# KiCad board 8851_HW-U1-VCU118_REV2-0_071417.kicad_pcb (continued)
## Routing (per net, layer and track width the routed paths; a pad name or vN(x,y) marks a point on that pad's centre or on a via; arc(x,y) is an arc through that point) (continued)
QSFP2_TX4_N: length 100.5
  TOP w0.102: 48.69,54.14 47.78,54.14 arc(47.73,54.13) 47.69,54.1 47.48,53.9 arc(47.46,53.88) 47.42,53.87 47.26,53.87 arc(47.23,53.88) 47.2,53.9 46.84,54.25 arc(46.75,54.32) 46.63,54.34 45.98,54.34 arc(45.86,54.32) 45.77,54.26 v5(45.65,54.14)
  TOP w0.113: v2(100.63,47.09) 101.12,47.58
  03_SIG1 w0.107: v2(100.63,47.09) 100.63,47.37 arc(100.6,47.45) 100.52,47.48 100.41,47.48 arc(100.29,47.43) 100.23,47.3 100.23,42.03 arc(100.1,41.69) 99.76,41.55 99.55,41.55 arc(99.45,41.52) 99.42,41.43 arc(99.38,41.33) 99.29,41.3 99.12,41.3 arc(99.21,41.52) 98.99,41.43 arc(98.95,41.52) 98.86,41.55 98.69,41.55 arc(98.59,41.52) 98.56,41.43 arc(98.52,41.33) 98.43,41.3 98.26,41.3 arc(98.35,41.52) 98.13,41.43 arc(98.09,41.52) 98,41.55 97.83,41.55 arc(97.73,41.52) 97.7,41.43 arc(97.66,41.33) 97.57,41.3 97.4,41.3 arc(97.49,41.52) 97.27,41.43 arc(97.23,41.52) 97.14,41.55 96.97,41.55 arc(96.87,41.52) 96.84,41.43 arc(96.8,41.33) 96.71,41.3 96.54,41.3 arc(96.63,41.52) 96.41,41.43 arc(96.37,41.52) 96.28,41.55 95.37,41.55 arc(95.27,41.53) 95.19,41.48
  03_SIG1 w0.15: 95.19,41.48 84.06,41.48 arc(83.34,41.62) 82.73,42.03 81.52,43.24 arc(81.23,43.44) 80.89,43.51 79.64,43.51 arc(79.25,43.43) 78.91,43.2 arc(78.6,43) 78.23,42.92 67.48,42.92 arc(66.73,43.07) 66.08,43.5 61.52,48.06 arc(65.35,50.62) 60.83,49.72 60.83,55.71 arc(60.7,56.38) 60.32,56.96 58.61,58.67 arc(57.95,59.11) 57.18,59.26 48.33,59.26 arc(47.16,59.03) 46.17,58.37 43.68,55.88 arc(43.27,55.27) 43.12,54.54 arc(44.22,54.99) 43.77,53.9 44.04,53.9 arc(44.07,53.91) 44.1,53.93 44.23,54.06 arc(44.46,54.21) 44.73,54.27 45.35,54.27 arc(45.52,54.23) v5(45.65,54.14)
QSFP2_TX4_P: length 89
  TOP w0.102: v5(45.65,53.35) 45.73,53.27 arc(45.87,53.19) 46.02,53.15 46.65,53.15 arc(46.75,53.17) 46.84,53.23 47.2,53.59 arc(47.24,53.63) 47.3,53.64 arc(47.31,53.65) 47.33,53.65 47.36,53.65 arc(47.37,53.65) 47.38,53.65 arc(47.41,53.64) 47.44,53.62 47.44,53.62 arc(47.44,53.62) 47.44,53.62 arc(47.46,53.62) 47.47,53.61 47.67,53.4 arc(47.72,53.37) 47.78,53.35 48.69,53.35
  TOP w0.113: v2(100.63,48.07) 101.12,48.57
  03_SIG1 w0.107: v2(100.63,48.07) 100.63,47.79 arc(100.6,47.71) 100.52,47.68 100.41,47.68 arc(100.15,47.57) 100.03,47.3 100.03,42.03 arc(99.96,41.83) 99.76,41.75 95.43,41.75 arc(95.31,41.78) 95.2,41.85 95.19,41.86
  03_SIG1 w0.15: 95.19,41.86 84.06,41.86 arc(83.48,41.97) 83,42.3 81.79,43.51 arc(81.37,43.78) 80.89,43.88 79.64,43.88 arc(79.1,43.77) 78.65,43.47 arc(78.46,43.34) 78.23,43.3 67.48,43.3 arc(66.87,43.42) 66.35,43.77 61.79,48.33 arc(61.36,48.97) 61.21,49.72 61.21,55.71 arc(61.05,56.53) 60.58,57.22 58.87,58.93 arc(58.09,59.45) 57.18,59.64 48.32,59.64 arc(47.01,59.38) 45.9,58.63 43.41,56.15 arc(42.92,55.41) 42.75,54.54 arc(44.49,55.26) 43.77,53.52 44.05,53.52 arc(44.11,53.51) 44.17,53.47 arc(44.43,53.3) 44.73,53.24 45.38,53.24 arc(45.53,53.27) v5(45.65,53.35)
QSFP2_VCC1_FILT:
  vias: v3(43.65,57.92) v3(43.65,57.2) v3(65.7,56.42) v3(65.7,55.6)
QSFP2_VCCRX_FILT: length 2.6
  TOP w0.3: 48.69,50.2 v3(47.3,50.2)
  BOTTOM w0.375: v3(47.3,50.2) 47.65,50.2 48.23,49.63
  vias: v3(45.02,49.5) v3(45.02,48.15) v3(63.5,63.65) v3(64.62,63.62)
QSFP2_VCCTX_FILT: length 2.8
  TOP w0.3: 51.16,50.6 52.37,50.6 v3(52.57,50.4)
  BOTTOM w0.375: 51.25,50.34 52.52,50.34 v3(52.57,50.4)
  vias: v3(45,52.73) v3(62.88,54.46) v3(64.28,54.44)
QSFP_SI570_CLOCK_C_N: length 31.1
  TOP w0.102: v3(124.27,34.03) 124.5,33.8 124.5,32.26 124.03,31.79 ; v2(111.45,49.06) 111.95,49.55
  18_SIG6 w0.075: v2(111.45,49.06) 111.45,49.37 111.55,49.46 112.67,49.46 112.85,49.28 112.85,46.43 112.81,46.39 112.81,43.64 112.85,43.61 112.85,41.17 112.81,41.13 112.81,41.12
  18_SIG6 w0.087: v3(124.27,34.03) 124.52,34.28 124.52,34.3 123.9,34.92 123.9,35.55 123.77,35.68 123.57,35.68 123.44,35.55 123.44,35.33 123.3,35.2 123.05,35.2 122.91,35.35 122.91,35.55 122.77,35.68 122.51,35.68 122.38,35.55 122.38,35.39 122.24,35.26 121.98,35.26 121.85,35.39 121.85,35.55 121.71,35.68 121.45,35.68 121.32,35.55 121.32,35.39 121.18,35.26 120.92,35.26 120.79,35.39 120.79,35.55 120.65,35.68 118.95,35.68 117.06,37.58 114.95,37.58 112.81,39.71 112.81,41.12
QSFP_SI570_CLOCK_C_P: length 29.7
  TOP w0.102: 125.28,31.79 124.79,32.29 124.79,33.76 v3(125.05,34.03) ; v2(111.45,50.04) 111.95,50.53
  18_SIG6 w0.075: v2(111.45,50.04) 111.45,49.73 111.53,49.66 112.75,49.66 113.05,49.36 113.05,46.35 113.01,46.31 113.01,43.72 113.05,43.69 113.05,41.18 113.09,41.14 113.09,41.12
  18_SIG6 w0.087: v3(125.05,34.03) 124.8,34.28 124.8,34.41 124.17,35.03 124.17,35.66 123.89,35.95 119.07,35.95 117.17,37.85 115.07,37.85 113.09,39.83 113.09,41.12
QSFP_SI570_CLOCK_N: length 39.6
  TOP w0.102: 94.44,22.39 93.54,22.39 93.3,22.15 93.3,20.8 93.74,20.36 116.63,20.36 124.03,27.76 124.03,30.81
QSFP_SI570_CLOCK_P: length 41
  TOP w0.102: 125.28,30.81 124.74,30.26 124.38,30.26 124.26,30.14 124.26,27.67 116.73,20.13 93.65,20.13 93.07,20.71 93.07,22.23 92.91,22.39 91.94,22.39
QSPI0_CS_B: length 73.6
  TOP w0.15: 141.1,18.27 U133.7 144.57,18.27 145.07,18.77 146.1,18.77 v3(146.6,18.27) ; 121.79,52.5 v2(122.28,52.01)
  TOP w0.375: 141.1,19.26 v3(141.85,19.26)
  18_SIG6 w0.087: v2(122.28,52.01) 122.74,52.47 124.47,52.47 124.74,52.21 124.74,48.85 125.03,48.57 125.44,48.57 125.73,48.28 125.73,46.9 125.73,46.89 126.01,46.6 126.03,46.6 126.54,46.6 126.71,46.42 126.71,45.9 127,45.61 127.42,45.61 127.69,45.34 127.69,44.83 127.9,44.63 129.22,44.63 129.22,44.63 129.37,44.63 129.66,44.34 129.66,43.93 129.95,43.64 130.36,43.64 130.65,43.36 130.65,33.45 132.47,31.62 132.47,28.82 132.8,28.5 133.53,28.5 133.65,28.38 133.65,25.4 134.07,24.98 135.5,24.98 135.58,24.89 135.58,23.91 135.67,23.83 136.02,23.83 136.11,23.91 136.11,24.89 136.2,24.98 136.55,24.98 136.63,24.89 136.63,23.91 136.72,23.83 137.07,23.83 137.16,23.91 137.16,24.89 137.25,24.98 139.9,24.98 140.28,24.6 140.28,23.35 140.5,23.12 142.57,23.12 143.1,23.65 143.1,26.23 143.57,26.7 145.53,26.7 145.99,26.24 145.99,24.96 146.3,24.65 146.3,22.3 146.6,22 v3(146.6,18.27)
  BOTTOM w0.375: v3(141.85,19.26) 141.25,18.66 141.25,18.42
QSPI0_DQ0: length 64.1
  TOP w0.15: 126.71,52.5 v2(127.2,52.01) ; U133.15 v3(150.65,24.52)
  18_SIG6 w0.087: v3(150.65,24.52) 152.6,24.52 153.35,23.77 153.35,20.35 152.55,19.55 151.38,19.55 151.01,19.91 151.01,20.03 151.7,20.72 151.7,20.85 151.46,21.09 151.33,21.09 150.64,20.41 150.52,20.41 150.27,20.65 150.27,20.78 150.96,21.47 150.96,21.59 150.71,21.84 150.59,21.84 149.9,21.15 149.78,21.15 149.41,21.51 149.41,27.14 142.96,33.59 142.96,36.04 141.78,37.23 135,37.23 134.58,37.64 134.58,42.37 134.3,42.66 134.2,42.66 133.89,42.66 133.6,42.95 133.6,43.39 133.34,43.64 132.9,43.64 132.62,43.93 132.62,44.37 132.36,44.63 131.92,44.63 131.63,44.92 131.63,46.32 131.35,46.6 130.93,46.6 130.65,46.88 130.65,47.3 130.36,47.58 129.93,47.58 129.66,47.85 129.66,48.27 129.37,48.57 127.98,48.57 127.69,48.85 127.69,51.52 v2(127.2,52.01)
QSPI0_DQ1: length 64.9
  TOP w0.15: 125.73,52.5 v2(126.22,52.01) ; U133.8 v3(145.35,17.02)
  18_SIG6 w0.087: v3(145.35,17.02) 146.05,16.33 150.95,16.33 151.25,16.62 151.25,18.55 148.6,21.2 148.6,26.1 143.47,31.23 138.68,31.23 138.59,31.31 138.59,32.24 138.5,32.33 138.15,32.33 138.07,32.24 138.07,31.31 137.98,31.23 137.63,31.23 137.54,31.31 137.54,32.24 137.45,32.33 137.1,32.33 137.02,32.24 137.02,31.31 136.93,31.23 136.07,31.23 132.62,34.68 132.62,43.36 132.33,43.64 131.91,43.64 131.63,43.93 131.63,44.34 131.34,44.63 130.94,44.63 130.65,44.92 130.65,46.36 130.41,46.6 129.14,46.6 128.97,46.6 128.68,46.89 128.68,47.29 128.39,47.58 128.22,47.58 127.98,47.58 127.69,47.87 127.69,47.97 127.69,47.97 127.69,48.28 127.41,48.57 127.31,48.57 127,48.57 126.71,48.85 126.71,51.52 v2(126.22,52.01)
QSPI0_DQ2: length 67.6
  TOP w0.15: v2(125.23,52.01) 124.74,52.5 ; v3(150.65,17.02) U133.9 154.87,17.02
  18_SIG6 w0.087: v2(125.23,52.01) 125.73,51.52 125.73,48.85 126.01,48.57 126.42,48.57 126.71,48.28 126.71,48.2 126.71,46.86 126.97,46.6 128.39,46.6 128.68,46.31 128.68,46.09 128.68,45.9 128.97,45.61 129.16,45.61 129.37,45.61 129.66,45.32 129.66,45.02 129.66,45.02 129.66,44.92 129.95,44.63 130.05,44.63 130.36,44.63 130.65,44.34 130.65,44.03 130.65,43.93 130.93,43.64 131.03,43.64 131.03,43.64 131.35,43.64 131.63,43.36 131.63,33.34 134.35,30.62 134.35,29.19 134.44,29.1 134.86,29.1 134.95,29.01 134.95,28.66 134.86,28.57 134.44,28.57 134.35,28.49 134.35,28.14 134.44,28.05 134.86,28.05 134.95,27.96 134.95,27.61 134.86,27.52 134.44,27.52 134.35,27.44 134.35,26.12 134.9,25.57 138.67,25.57 138.75,25.66 138.75,27.54 138.84,27.62 139.19,27.62 139.28,27.54 139.28,25.66 139.37,25.57 141.57,25.57 143.3,27.3 146.03,27.3 147.3,26.03 147.3,19.45 149.15,17.6 150.07,17.6 v3(150.65,17.02)
QSPI0_DQ3: length 68.9
  TOP w0.15: v3(145.35,25.77) U133.1 143.36,25.8 R1016.2 ; v2(124.25,52.01) 123.76,52.5
  18_SIG6 w0.087: v2(124.25,52.01) 123.76,51.52 123.76,48.79 123.98,48.57 124.5,48.57 124.74,48.32 124.74,46.85 124.99,46.6 125.45,46.6 125.73,46.32 125.73,44.84 125.94,44.63 127.42,44.63 127.69,44.35 127.69,43.9 127.95,43.64 129.37,43.64 129.66,43.36 129.66,33.09 131.9,30.85 131.9,27.79 131.99,27.7 132.91,27.7 133,27.61 133,27.26 132.91,27.17 131.99,27.17 131.9,27.09 131.9,26.74 131.99,26.65 132.91,26.65 133,26.56 133,26.21 132.91,26.12 131.99,26.12 131.9,26.04 131.9,25.69 131.99,25.6 132.91,25.6 133,25.51 133,25.16 132.91,25.07 131.99,25.07 131.9,24.99 131.9,24.64 131.99,24.55 132.91,24.55 133,24.46 133,24.11 132.91,24.02 131.99,24.02 131.9,23.94 131.9,23.23 133.88,21.25 135.58,21.25 135.67,21.34 135.67,22.29 135.75,22.38 136.1,22.38 136.19,22.29 136.19,21.34 136.28,21.25 136.63,21.25 136.72,21.34 136.72,22.29 136.8,22.38 137.15,22.38 137.24,22.29 137.24,21.34 137.33,21.25 140.2,21.25 141.47,22.52 144.03,22.52 145.35,23.85 v3(145.35,25.77)
QSPI1_CS_B: length 50.6
  TOP w0.15: 138.52,57.42 v2(139.01,56.93)
  20_SIG7 w0.087: v3(149.4,18.27) 149.4,27.55 139.95,37 139.95,56.42 139.44,56.93 v2(139.01,56.93)
  BOTTOM w0.15: 155.5,17.81 154.75,17.81 154.28,18.27 152.61,18.27 151.45,18.27 151,18.73 149.85,18.73 v3(149.4,18.27)
QSPI1_DQ0: length 64.8
  TOP w0.15: v2(125.23,59.88) 124.74,60.38
  16_SIG5 w0.087: v3(146.75,23.27) 146.75,22.25 146.28,21.77 143.3,21.77 142.62,22.45 141.55,22.45 140.47,21.38 137.8,21.38 134.53,24.65 134.53,27.65 131.19,30.98 131.19,31.11 131.54,31.46 131.54,31.58 131.29,31.83 131.17,31.83 130.82,31.48 130.7,31.48 130.45,31.73 130.45,31.85 130.8,32.2 130.8,32.33 130.55,32.57 130.43,32.57 130.08,32.22 129.95,32.22 129.71,32.47 129.71,32.59 130.06,32.94 130.06,33.07 129.81,33.32 129.69,33.32 129.33,32.96 129.21,32.96 128.96,33.21 128.96,33.34 129.31,33.69 129.31,33.81 129.07,34.06 128.94,34.06 128.59,33.71 128.47,33.71 127.8,34.38 127.8,37.38 124.75,40.42 124.75,57.2 124.97,57.42 125.42,57.42 125.67,57.67 125.67,59.44 v2(125.23,59.88)
  BOTTOM w0.15: 143.39,24.52 145.5,24.52 v3(146.75,23.27)
QSPI1_DQ1: length 64.9
  TOP w0.15: 124.74,59.39 v2(125.23,58.9)
  16_SIG5 w0.087: v3(145.53,19.43) 144.82,20.12 138.3,20.12 138.21,20.21 138.21,20.49 138.12,20.58 137.77,20.58 137.69,20.49 137.69,20.21 137.6,20.12 137.22,20.12 136.05,21.3 134.35,21.3 133.95,21.7 133.95,27.28 125.8,35.42 125.8,38.45 123.78,40.48 123.78,58.25 123.95,58.42 124.76,58.42 v2(125.23,58.9)
  BOTTOM w0.15: v3(145.53,19.43) 146.7,19.43 149.62,16.5 150.88,16.5 151.4,17.02 152.61,17.02
QSPI1_DQ2: length 66.9
  TOP w0.15: v2(126.22,60.87) 125.73,61.36
  16_SIG5 w0.087: v3(146.6,17.02) 147.78,18.2 147.78,24.9 147.28,25.4 147.28,25.85 146.86,26.26 144.26,26.26 143.47,25.48 138.6,25.48 134.11,29.96 134.11,30.44 129.14,35.41 129.14,37.26 125.72,40.68 125.72,57.25 125.9,57.42 126.38,57.42 126.72,57.78 126.72,60.36 v2(126.22,60.87)
  BOTTOM w0.15: 141.25,17.43 141.66,17.02 143.39,17.02 144.53,17.02 144.95,16.6 146.18,16.6 v3(146.6,17.02)
QSPI1_DQ3: length 66.4
  TOP w0.15: v2(127.2,60.87) 126.71,61.36
  16_SIG5 w0.087: v3(147.82,25.65) 147.82,26.45 147.3,26.98 141.65,26.98 139.18,29.45 135.35,29.45 134.72,30.07 134.72,32.85 133.31,34.27 133.18,34.27 132.51,33.59 132.38,33.59 132.14,33.84 132.14,33.96 132.81,34.64 132.81,34.76 132.57,35.01 132.44,35.01 131.77,34.33 131.64,34.33 131.39,34.58 131.39,34.7 132.07,35.38 132.07,35.5 131.82,35.75 131.7,35.75 131.02,35.08 130.9,35.08 130.65,35.32 130.65,35.45 131.33,36.12 131.33,36.25 131.08,36.49 130.96,36.49 130.28,35.82 130.16,35.82 129.91,36.07 129.91,36.19 130.59,36.87 130.59,36.99 126.71,40.87 126.71,57.17 126.93,57.4 127.38,57.4 127.7,57.72 127.7,60.37 v2(127.2,60.87)
  BOTTOM w0.15: v3(147.82,25.65) 149.35,25.65 149.47,25.77 152.61,25.77 154.87,25.77
QSPI_CLK: length 81.2
  TOP w0.15: v2(119.33,53.98) 118.84,54.47 ; U133.16 149.3,25.77 148.53,25 147.28,25 v3(146.72,25.55)
  16_SIG5 w0.087: v3(146.72,25.55) 146.72,24.73 147.35,24.1 147.35,20.3 145.97,18.93 145.97,17.85 145.65,17.52 141.95,17.52 140.43,19.05 136.01,19.05 135.92,19.14 135.92,20.71 135.83,20.8 135.48,20.8 135.39,20.71 135.39,19.14 135.31,19.05 134.96,19.05 134.87,19.14 134.87,20.71 134.78,20.8 134.43,20.8 134.34,20.71 134.34,19.14 134.26,19.05 133.65,19.05 133.22,19.48 133.22,25.32 126.1,32.45 124.67,32.45 122.47,34.65 122.47,39.18 120.8,40.85 120.8,53.25 120.58,53.47 119.83,53.47 v2(119.33,53.98)
  BOTTOM w0.15: v3(146.72,25.55) 146.43,25.25 144.97,25.25 144.45,25.77 143.39,25.77
QSPI_RESET_B: length 11.9
  TOP w0.15: v3(145.8,23.27) U133.3 R1328.2
  BOTTOM w0.15: 152.61,23.27 149.47,23.27 148.93,22.73 146.35,22.73 v3(145.8,23.27)
REG_EN: length 432.9
  TOP w0.15: 217.26,149.41 217.26,149.97 217.07,150.16 v3(215.23,150.16) 215.09,150.16 214.62,150.63 214.62,151.8 214.21,152.2 207.25,152.2 207.03,151.98 199.8,151.98 199.05,152.72 196.7,152.72 196.18,153.25 178.87,153.25 171.68,146.07 133.79,146.07 133.22,145.5 133.22,142.75 132.57,142.1 127.31,142.1 v3(125.92,140.71) 125.55,140.71 125.31,140.48 125.31,139.52 ; 165.93,136.99 166.46,136.99 167.06,137.59 v3(167.31,137.59) ; v3(177.76,41.5) 177.76,41.94 177.21,42.49 177.21,43.08
  TOP w0.3: v3(160.12,132.53) 160.22,132.62 U166.9 ; v3(218.58,148.58) 218.24,148.92 R499.2
  03_SIG1 w0.17: v3(211.62,59.68) 211.84,59.9 211.84,61.29 211.43,61.7 210.45,61.7 210.16,61.41 209.33,61.41 208.19,60.27 208.19,59.82 208.19,58.06 209.54,56.71 209.54,52.42 210.25,51.71 210.25,51.32 209.99,51.05 209.89,51.05 v3(209.88,51.05) 207.81,48.97 204.59,48.97 203.43,50.12 198.07,50.12 196.82,48.88 190.47,48.88 187.8,51.55 187.8,52.62 186.05,54.38 184.35,54.38 183.1,53.12 183.1,52.11 180.25,49.26 180.25,47.43 179.51,46.68 178.9,46.68 177.76,45.54 v3(177.76,41.5)
  05_SIG2 w0.17: v3(215.23,150.16) 210.11,150.16 209.15,149.2 209.15,141.31 207.74,139.91 207.74,133.87 207.18,133.3 207.18,131.53 207.9,130.8 207.9,127.15 213.68,121.38 231.36,121.38 235.23,117.51 235.23,111.11 v3(234.79,110.67) 230.76,110.67 225.36,105.27 225.36,101.57 222.65,98.85 221.87,98.85 218.5,95.49 218.5,91.49 217.96,90.95 217.96,89.22 216.55,87.82 216.55,86.42 214.85,84.72 214.85,78.52 215.25,78.13 215.25,76.6 213.89,75.25 213.89,67.51 209.71,63.33 209.28,63.33 208.43,62.47 208.43,59.86 209.03,59.26 211.19,59.26 v3(211.62,59.68)
  BOTTOM w0.15: v3(209.88,51.05) 210.11,51.28 212.26,51.28 212.81,50.72 212.81,49.6 ; v3(215.23,150.16) 215.66,149.72 216.55,149.72 ; 234.03,110.52 234.18,110.67 v3(234.79,110.67) ; v3(125.92,140.71) 139.99,140.71 142.3,143.03 166.12,143.03 168.28,140.88 168.28,138.56 v3(167.31,137.59) 168.03,136.87 168.03,132.29 168.57,131.74 168.57,127.74 166.34,125.51 162.23,125.51 160.51,127.23 150.06,127.23 149.55,126.72 149.55,125.07 150.12,124.49 150.12,121.58 149.82,121.27 149.82,119.33 149.65,119.15 149,119.15 148.5,118.65 148.5,113.22 149.9,111.83 151.89,111.83 152.24,112.17 152.24,112.54 152.83,113.13 154,113.13 ; v3(211.62,59.68) 211.39,59.45 209.24,59.45 208.69,60 208.69,61.12
  BOTTOM w0.175: U164.9 228.62,104.86 228.04,104.29 226.99,104.29 226.25,103.55 226.25,99.04 225.62,98.42 225.17,98.42
  BOTTOM w0.212: 234.03,110.52 233.85,110.34 233.44,110.34
  BOTTOM w0.25: U9.12 156.13,110 v3(155.87,109.75) ; 209.19,58.87 208.73,59.33 208.73,59.39 208.2,59.93 U6.12
REG_SYNC: length 360.1
  03_SIG1 w0.375: v3(172.38,132.18) 174.26,130.29 v3(174.26,113.95) 173.29,112.98 171.19,112.98 166.9,108.69 161.04,108.69 160.2,107.85 v3(160.2,107.09)
  05_SIG2 w0.375: v3(41.18,125.88) 41.18,126.98 41.65,127.45 42.85,127.45 44.73,129.33 44.73,130.7 45.33,131.3 46.95,131.3 48.9,133.25 48.9,137.43 50.02,138.55 50.02,143.51 47.14,146.39 47.14,148.18 47.86,148.9 47.86,154.54 v3(48.55,155.24) ; v3(207.12,44.05) 208.31,45.24 208.31,51.75 213.7,57.14 213.7,61.02 214.42,61.74 217.11,61.74 218.71,63.34 218.71,65.88 v3(217.72,66.88)
  07_SIG3 w0.375: v3(116.6,168.18) 116.6,158.55 117.59,157.56 117.59,155.46 120.18,152.87 124.25,152.87 125.32,151.81 125.32,150.66 126.27,149.71 131.16,149.71 141.01,139.85 141.01,136.5 146.58,130.93 154.07,130.93 155.82,129.19 161.39,129.19 163.5,131.3 164.12,131.3 165.93,133.11 165.93,137.1 167.12,138.3 170.47,138.3 173.29,135.48 173.29,133.09 v3(172.38,132.18)
  18_SIG6 w0.375: v3(116.6,168.18) 114.66,170.12 56.12,170.12 53.25,167.25 50.62,167.25 47.61,164.24 47.61,156.18 v3(48.55,155.24)
  20_SIG7 w0.375: v3(174.26,113.95) 176.98,111.23 187.33,111.23 198.23,100.33 198.23,83.56 208.24,73.55 215.1,73.55 216.9,71.75 216.9,67.7 v3(217.72,66.88)
  BOTTOM w0.375: R1144.1 207.79,44.05 v3(207.12,44.05) ; v3(41.18,125.88) 41.3,125.75 41.3,125.17 ; v3(172.38,132.18) 173.04,132.18 R362.1 ; 159.55,108.11 159.55,107.52 159.72,107.35 159.94,107.35 v3(160.2,107.09) ; 213.71,66.67 217.52,66.67 v3(217.72,66.88)
RJ45_LGRN_PWR: length 4.2
  TOP w0.15: 42.05,147.97 43.01,148.93 45.03,148.93
  TOP w0.375: R82.2 v3(46.8,148.93)
RJ45_RGRN_PWR: length 6.8
  TOP w0.15: 26.69,147.96 27.62,147.96 28.82,146.75 31.28,146.75 32.5,147.97
RLD3_C3_72B_0_VREF: length 26.6
  TOP w0.15: U141.N7 v2(91.76,108.58) 92.25,108.09 94.69,108.09 96.97,105.82 v3(98.02,105.82) ; U141.A7 v2(91.76,121.38)
  07_SIG3 w0.17: v2(91.76,108.58) 91.76,108.58 92.81,109.63 92.81,112.45 93.22,112.86 93.22,115.3 92.87,115.65 92.87,120.99 92.48,121.38 v2(91.76,121.38)
  BOTTOM w0.15: v2(91.76,121.38) 91.76,121.38 R988.1 ; v2(91.76,108.58) 92.25,108.09 92.25,106.97
  BOTTOM w0.375: 98.78,105.82 v3(98.02,105.82)
RLD3_C3_72B_0_ZQ: length 10.5
  TOP w0.138: v3(84.87,119.41) 84.6,119.68 84.15,119.68
  TOP w0.15: U141.F7 v2(91.76,116.46)
  BOTTOM w0.15: v2(91.76,116.46) 91.26,116.95 91.26,117.65 90.98,117.93 85.62,117.93 84.87,118.68 v3(84.87,119.41)
RLD3_C3_72B_1_VREF: length 25.6
  TOP w0.15: 80.53,114.83 v2(81.03,115.32) ; 68.72,114.83 v2(68.23,115.32)
  BOTTOM w0.15: R1141.1 82,114.43 81.87,114.3 81.37,114.3 ; 81.37,114.3 81.37,114.98 v2(81.03,115.32) ; 81.37,114.3 81.37,113.83 81.52,113.68 81.52,113.04 81.33,112.85 80.8,112.85 80.56,112.62 80.56,112.1 80.34,111.88 77.84,111.88 77.58,112.13 77.58,114.01 77.24,114.35 75.92,114.35 75.44,114.83 68.94,114.83 68.45,115.32 v2(68.23,115.32) 68.23,115.32 68.23,114.4 66.65,112.82 R1142.2
RLD3_C3_72B_1_ZQ: length 10.8
  TOP w0.15: v2(78.75,123.29) 78.48,123.29 78.12,122.92 ; 75.61,114.83 v2(76.1,115.32)
  BOTTOM w0.15: v2(76.1,115.32) 76.6,115.81 76.6,119.43 76.6,119.43 76.6,120.48 76.85,120.74 77.29,120.74 77.58,121.03 77.58,121.64 78.06,122.12 78.06,122.57 78.78,123.29 v2(78.75,123.29)
RLD3_C3_72B_A0: length 152.5
  TOP w0.15: v2(93.74,70.71) 94.23,70.22 ; U141.E2 v2(86.84,117.44) ; 76.6,119.75 v2(77.09,120.24)
  TOP w0.237: R964.2 83.73,117.29 83.86,117.42 v3(83.89,117.42)
  03_SIG1 w0.17: v2(77.09,120.24) 76.6,120.74 74.22,120.74 74.03,120.54 74.03,120.3 74.11,120.21 74.43,120.21 74.51,120.13 74.51,119.9 74.43,119.81 74.11,119.81 74.03,119.73 74.03,119.55 74.11,119.46 74.43,119.46 74.51,119.38 74.51,119.2 74.43,119.11 74.11,119.11 74.03,119.03 74.03,118.89 74.16,118.76 75.32,118.76 75.61,119.05 75.61,119.48 75.88,119.75 77.47,119.75 77.58,119.64 77.58,116.02 77.78,115.82 78.27,115.82 78.58,116.13 78.58,120.35 78.58,120.6 78.71,120.74 79.4,120.74 79.55,120.58 79.55,115.98 79.72,115.81 81.31,115.81 81.52,116.02 81.52,118.46 81.51,118.47 81.51,119.1 81.59,119.19 81.76,119.19 81.86,119.29 81.86,119.61 81.76,119.71 81.67,119.71 81.53,119.85 81.53,120.22 81.53,120.23 81.53,120.5 81.65,120.62 81.8,120.62 82.05,120.38 84.72,120.38 85.19,119.9 86.07,119.9 86.35,119.63 86.35,117.94 v2(86.84,117.44)
  05_SIG2 w0.17: v2(93.74,70.71) 93.01,70.71 92.9,70.83 ; 72.65,122.85 72.68,122.82 72.68,122.56 72.56,122.44 72.2,122.44 72.11,122.36 72.11,122.16 72.2,122.07 72.56,122.07 72.66,121.97 72.66,118.03 72.91,117.78 73.36,117.78 73.64,118.07 73.64,118.52 74.88,119.75 75.33,119.75 75.61,120.04 75.61,120.49 75.86,120.74 76.6,120.74 v2(77.09,120.24)
  05_SIG2 w0.258: v3(83.89,117.42) 84.91,117.42 85.38,116.95 86.35,116.95 v2(86.84,117.44)
  05_SIG2 w0.287: 72.65,122.85 72.65,123.57 72.54,123.68 71.61,123.68 71.45,123.52 71.45,122.53 71.3,122.38 70.99,122.38 70.83,122.53 70.83,123.52 70.68,123.68 70.37,123.68 70.21,123.52 70.21,122.53 70.06,122.38 69.75,122.38 69.59,122.53 69.59,123.52 69.44,123.68 69.13,123.68 68.97,123.52 68.97,122.53 68.82,122.38 68.51,122.38 68.35,122.53 68.35,123.52 68.2,123.68 67.8,123.68 67.61,123.48 67.61,121.45 66.07,119.91 63.88,119.91 63.38,119.41 63.38,112.94 63.89,112.43 63.89,111.72 63.38,111.22 63.38,106.42 65.5,104.3 67.95,104.3 68.78,105.13 71.12,105.13 72.79,103.46 73.54,103.46 73.99,103.01 77.27,103.01 77.4,102.88 80.72,102.88 81.2,102.4 81.2,101.21 81.59,100.83 82.28,100.83 84,99.11 84,98.58 84.35,98.22 86.17,98.22 86.22,98.27 88,98.27 88.4,97.88 88.4,97.12 90.19,95.34 90.19,91.84 89.76,91.41 89.76,73.97 92.9,70.83
RLD3_C3_72B_A1: length 164
  TOP w0.15: 75.61,116.8 v2(76.1,117.29) ; U141.F5 v2(89.79,116.46) ; v2(95.71,70.71) 96.2,70.22
  TOP w0.237: v2(87.82,107.6) 87.82,106.94
  TOP w0.375: U1.C29 v2(122.28,85.48)
  03_SIG1 w0.17: v2(76.1,117.29) 76.1,116.92 76.01,116.82 75.74,116.82 75.61,116.95 75.61,118.54 75.84,118.77 76.44,118.77 76.6,118.61 76.6,118.06 76.6,115.97 76.44,115.81 74.15,115.81 74.06,115.91 74.06,116.1 74.14,116.18 74.54,116.18 74.62,116.27 74.62,116.45 74.54,116.53 74.14,116.53 74.06,116.62 74.06,116.8 74.14,116.88 74.54,116.88 74.62,116.97 74.62,117.15 74.54,117.23 74.14,117.23 74.06,117.32 74.06,117.41 73.97,117.5 73.74,117.5 73.66,117.42 73.66,115.92 73.56,115.81 72.89,115.81 72.66,116.04 72.66,117.54 72.9,117.78 73.46,117.78 73.68,118 73.68,121.54 73.87,121.73 82.61,121.73 82.84,121.5 82.84,120.89 82.93,120.8 83.1,120.8 83.19,120.89 83.19,121.03 83.36,121.2 83.6,121.2 83.78,121.02 85.95,121.02 86.36,120.62 86.36,120.12 86.57,119.9 87.08,119.9 87.33,119.65 87.33,119.18 87.59,118.92 89.03,118.92 89.3,118.65 89.3,116.95 v2(89.79,116.46)
  05_SIG2 w0.17: 96.19,108 96.19,108.95 96.06,109.08 95.37,109.08 95.21,109.24 95.21,109.92 95.35,110.06 95.99,110.06 96.19,110.26 96.19,110.91 96.05,111.05 94.45,111.05 94.22,110.82 94.22,107.27 93.92,106.97 93.1,106.97 92.75,107.33 92.75,114.12 92.15,114.72 91.74,114.72 91.27,115.2 91.27,118.63 90.98,118.92 90.57,118.92 90.28,118.63 90.28,118.13 90.09,117.94 89.49,117.94 89.3,118.13 89.3,118.68 89.06,118.92 88.58,118.92 88.31,118.65 88.31,118.09 88.16,117.94 87.51,117.94 87.33,118.12 87.33,118.67 87.08,118.92 86.62,118.92 86.35,118.65 86.35,118.1 86.18,117.93 84.19,117.93 84.12,118 83.67,118 83.08,117.4 82.83,117.4 82.22,116.8 76.27,116.8 76.1,116.97 v2(76.1,117.29) ; v2(95.71,70.71) 96.2,71.2 96.89,71.2 97.18,71.49 97.18,72.93 97.42,73.17 98.01,73.17 98.17,73.33 98.17,74.01 98.31,74.16 103.8,74.16 104.07,73.89 104.07,73.34 104.24,73.17 107.72,73.17 108,73.45 108,77.83 107.75,78.08 107.25,78.08 107.02,78.3 107.02,80.78 106.75,81.05 98.38,81.05 98.17,81.26 98.17,81.77 97.91,82.03 97.42,82.03 97.18,82.27 97.18,82.84 97.01,83.01 96.41,83.01 96.2,83.23 96.2,87.9
  05_SIG2 w0.258: v2(89.79,116.46) 89.3,115.97 89.3,109.37 89.01,109.08 88.6,109.08 88.31,108.79 88.31,108.09 v2(87.82,107.6)
  05_SIG2 w0.287: 96.2,87.9 96.2,88.71 98.75,91.27 98.75,95.6 97.36,96.99 97.36,100.39 98.78,101.8 98.78,103.3 96.2,105.88 96.2,107.99 96.19,108
RLD3_C3_72B_A2: length 158.7
  TOP w0.15: U141.F4 v2(88.81,116.46) ; v2(96.69,70.71) 97.18,70.22 ; 75.61,117.78 v2(76.1,118.27)
  TOP w0.237: v3(84.87,115.47) 84.72,115.32 R966.2
  TOP w0.375: U1.D29 v2(122.28,84.49)
  05_SIG2 w0.17: v2(76.1,118.27) 76.6,117.78 78.29,117.78 78.56,118.06 78.56,118.48 78.85,118.77 79.32,118.77 79.55,118.54 79.55,118.02 79.79,117.78 80.28,117.78 80.53,118.03 80.53,119.6 80.68,119.75 81.39,119.75 81.52,119.62 81.52,118.03 81.75,117.8 82.8,117.8 83.28,118.27 83.28,118.46 83.17,118.56 82.49,118.56 82.38,118.68 82.38,118.87 82.8,119.3 82.92,119.3 83.23,118.99 83.36,118.99 83.51,119.14 83.51,119.27 83.17,119.61 83.17,119.73 83.35,119.91 83.56,119.91 83.62,119.97 83.62,120.16 83.71,120.25 83.97,120.25 84.02,120.2 84.02,119.64 84.08,119.58 84.25,119.58 84.32,119.5 84.32,118.84 84.48,118.69 84.48,118.44 84.57,118.34 84.91,118.34 85.04,118.47 85.04,118.78 85.18,118.92 86.12,118.92 86.35,119.15 86.35,119.78 86.47,119.9 87.2,119.9 87.33,119.77 87.33,119.19 87.61,118.92 88.07,118.92 88.31,119.16 88.31,119.7 88.52,119.9 89.07,119.9 89.3,119.68 89.3,119.18 89.56,118.92 90.07,118.92 90.28,119.13 90.28,119.76 90.43,119.9 91.15,119.9 91.27,119.78 91.27,119.21 91.56,118.92 92.16,118.92 92.34,118.73 92.34,115.63 94.22,113.75 94.22,112.3 94.5,112.03 96.95,112.03 97.17,111.8 97.17,107.91 ; v2(96.69,70.71) 96.98,70.71 97.47,71.2 97.85,71.2 98.17,71.52 98.17,72.85 98.49,73.17 103.78,73.17 104.06,72.89 104.06,72.36 104.23,72.19 108.74,72.19 108.97,72.42 108.97,77.85 108.75,78.08 108.25,78.08 108.01,78.32 108.01,80.77 107.73,81.05 107.2,81.05 107.02,81.23 107.02,81.78 106.77,82.03 98.52,82.03 98.15,82.4 98.15,82.75 97.89,83.01 97.41,83.01 97.18,83.24 97.18,88